# Altium PCB EDA-04211-V4_0_pcb.pcbdoc (part 2 of 12) (continued)
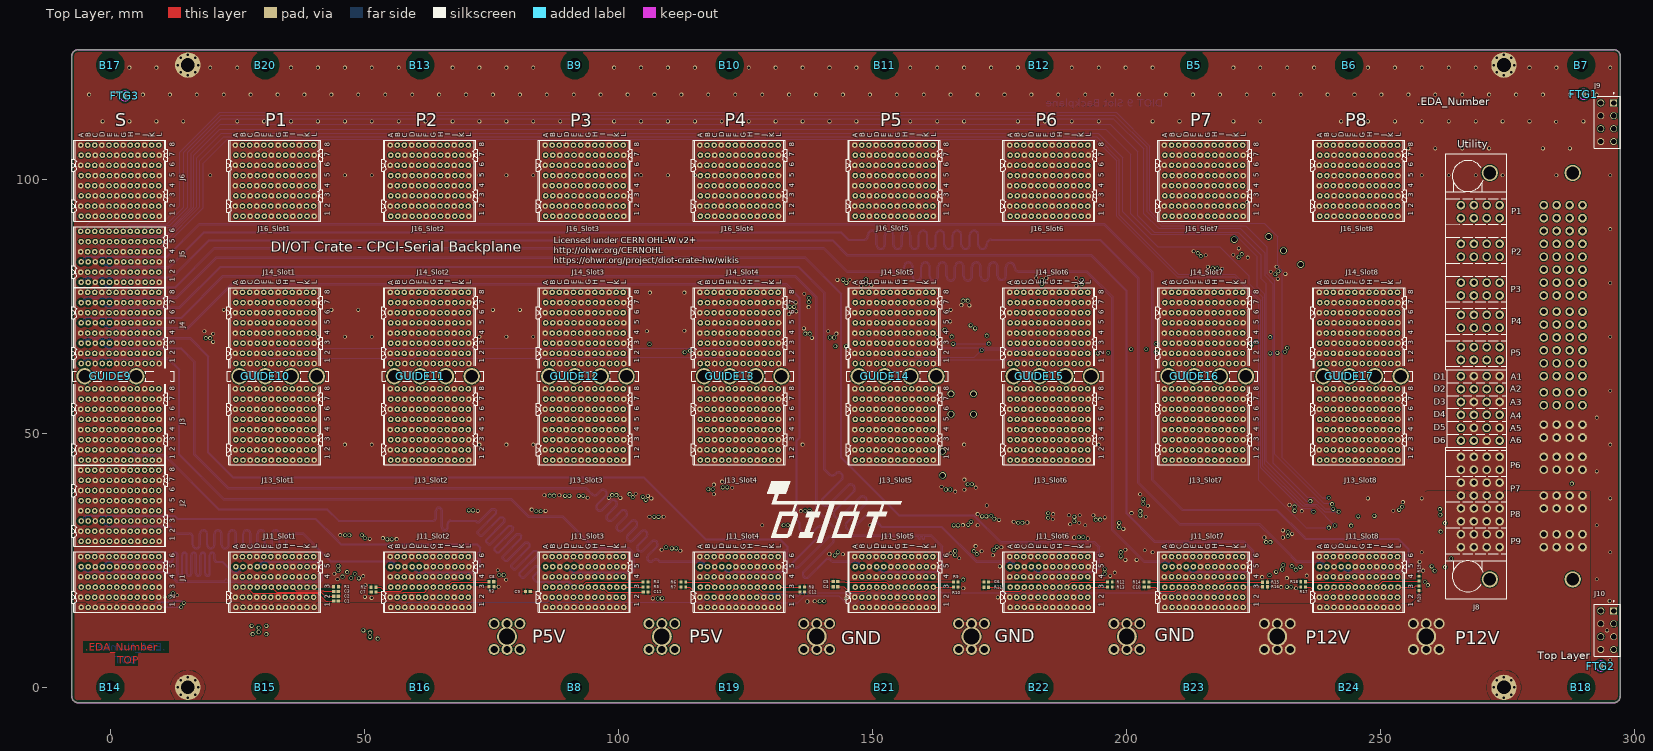
[diagram p0: Top Layer view]
## Footprints (in the part's own frame and the unit in brackets; to place one, negate y for a bottom-side part, rotate by r counter-clockwise, add the part's x,y. Pads: shape width x height; smd on the part's side, far side on the other; paste and mask are expansions set on the pad) (continued)
  silkscreen extent -3.5,-3.5 3.5,3.5, body extent -3.5,-3.5 3.5,3.5, height 6.1

## Part data
B1 B2 B3 B4: library part NON-PLATED_HOLE2.7_PAD5.0_8FCVIAS_BOTSM, "Single Terminal Socket", Author="CERN DEM WB", Component Type="Standard (No BOM)", ComponentHeight=0mm, CreateDate=18/04/2024, Family="Non Plated Hole", HelpURL=Undefined, LatestRevisionDate=18/04/2024, Mounted=No, PackageDescription="Unplated Through Hole: Hole Dia.=2.7mm Pad Dia.=5.0mm with 8 vias filled and capped and soldermask on Bottom.", Part Description="Plated Through Hole: Hole Dia.=2.7mm Pad Dia.=5.0mmUnplated Through Hole: Hole Dia.=2.7mm Pad Dia.=5.0mm with 8 vias filled and capped and soldermask on Bottom.", Part Number=NON-PLATED_HOLE2.7_PAD5.0_8FCVIAS_BOTSM, Pin Count=1, Sense=No, SMD=No, Socket=No, Status=None
B5 B6 B7 B8 B9 B10 B11 B12 B13 B14 B15 B16 B17 B18 B19 B20 B21 B22 B23 B24: library part NON-PLATED_HOLE2.7, "Single Terminal Socket", Author="CERN DEM BC", Component Type="Standard (No BOM)", ComponentHeight=0mm, CreateDate=11.11.2015, Family="Non Plated Hole", HelpURL=Undefined, LatestRevisionDate=11.11.2015, Mounted=No, PackageDescription="Non Plated Through Hole: Hole Dia.=2.7mm", Part Description="Non Plated Through Hole: Hole Dia.=2.7mm", Part Number=NON-PLATED_HOLE2.7, Pin Count=1, Sense=No, SMD=No, Socket=No, Status=None
BUSH1 BUSH2 BUSH3 BUSH4 BUSH5 BUSH6 BUSH7: library part WURTH_7461057, "Bush", Manufacturer=WURTH, Manufacturer Part Number=7461057, Author="CERN DEM JLC", Component Type=Standard, ComponentHeight=6mm, CreateDate=13.08.2018, HelpURL=\\cern.ch\dfs\Applications\Altium\Datasheets\WURTH_7461057.pdf, LatestRevisionDate=13.08.2018, Mounted=Yes, PackageDescription="7x7x6mm REDCUBE Press-Fit with Internsl Threaded Hole M3,Two Rows Pin-Plate WP-BUTR", Part Description="REDCUBE Bush with Threaded Hole M3 and Two Rows Press-Fit Pin-Plate, WP-BUTR Series", Part Number=WURTH_7461057, Pin Count=6, PressFit=Yes, Sense=No, SMD=No, Socket=No, Status=None
C1 C2 C3 C4 C5 C6 C7 C8 C9 C10 C11 C12: library part CC0402_10NF_16V_10%_X7R, "Non-polarised capacitor", Case=0402, Manufacturer=GENERIC, Manufacturer1 ComponentHeight=0.55mm, Manufacturer1 Example=PHYCOMP, Manufacturer1 Part Number=223878715636, Tolerance=±10%, Voltage=16V, Author="CERN DEM JLC", Component Type=Standard, CreateDate=03/12/2007, HelpURL=\\cern.ch\dfs\Applications\Altium\Datasheets\CC0402_X7R_PHYCOMP.pdf, LatestRevisionDate=03/12/2007, Manufacturer Part Number=CC0402_10NF_16V_10%_X7R, Mounted=Yes, Part Description="SMD Multilayer Chip Ceramic Capacitor", Part Number=CC0402_10NF_16V_10%_X7R, Pin Count=2, Sense=No, SMD=Yes, Socket=No, Status="Not Recommended", TC=X7R
FTG1 FTG2 FTG3: library part FIDUCIAL_TARGET_c100-200, "Fiducial Target", Part Number=FIDUCIAL_TARGET_C100-200, Author="CERN DEM JLC", Component Type="Standard (No BOM)", ComponentHeight=0mm, CreateDate=09/02/2010, Family=Fiducial, HelpURL=Undefined, LatestRevisionDate=04/04/2012, Mounted=No, PackageDescription="Round Fiducial Target, Top Layer, 1.0mm, Top Solder 2.0mm, Keepout =2.0mm", Part Description="Round Fiducial Target, Top Layer, 1.0mm, Top Solder 2.0mm, Keepout =2.0mm", Pin Count=1, Sense=No, SMD=Yes, Socket=No, Status=None
GUIDE1 GUIDE2 GUIDE3 GUIDE4 GUIDE5 GUIDE6 GUIDE7 GUIDE8 GUIDE9 GUIDE10 GUIDE11 GUIDE12 GUIDE13 GUIDE14 GUIDE15 GUIDE16 GUIDE17: library part EDA-04126-V1-0, "PICMG CompactPCI Serial Backplane Guide Element", Manufacturer=CERN, Author="CERN DEM BC", Component Type=Standard, ComponentHeight=32mm, ComponentLink1Description="EDMS Link", ComponentLink1URL=https://edms.cern.ch/nav/EDA-04126-V1-0, CreateDate=24.09.2019, HelpURL=\\cern.ch\dfs\Applications\Altium\Datasheets\EDA-04126-V1-0.pdf, LatestRevisionDate=24.09.2019, Manufacturer Part Number=EDA-04126-V1-0, Mounted=Yes, PackageDescription="PICMG CompactPCI Serial Backplane Guide Element", Part Description="PICMG CompactPCI Serial Backplane Guide Element", Part Number=EDA-04126-V1-0, Pin Count=2, PressFit=No, Sense=No, SMD=No, Socket=No, Status=None
J1 J5 J11_Slot1 J11_Slot2 J11_Slot3 J11_Slot4 J11_Slot5 J11_Slot6 J11_Slot7 J11_Slot8: library part AMPHENOL_10052829-101LF, "72 Contacts Receptacle, 6 Columns, 4 Pairs per Column", Manufacturer=AMPHENOL, Manufacturer Part Number=10052829-101LF, Author="CERN DEM MR", Component Type=Standard, ComponentHeight=10.85mm, ComponentLink1Description=Application, ComponentLink1URL=\\cern.ch\dfs\Applications\Altium\Datasheets\AMPHENOL_10052829-101LF_Application.pdf, CreateDate=30.04.2019, Family="AirMax VS", HelpURL=\\cern.ch\dfs\Applications\Altium\Datasheets\AMPHENOL_10052829-101LF.pdf, LatestRevisionDate=30.04.2019, Mounted=Yes, Part Description="72 Contacts, 2mm Pitch, 6 Columns, 4 Pairs per Column, Vertical Receptacle", Part Number=AMPHENOL_10052829-101LF, Pin Count=72, PressFit=Yes, Sense=No, SMD=No, Socket=No, Status=None
J2 J3 J4 J6 J13_Slot1 J13_Slot2 J13_Slot3 J13_Slot4 J13_Slot5 J13_Slot6 J13_Slot7 J13_Slot8 J14_Slot1 J14_Slot2 J14_Slot3 J14_Slot4 J14_Slot5 J14_Slot6 J14_Slot7 J14_Slot8 J16_Slot1 J16_Slot2 J16_Slot3 J16_Slot4 J16_Slot5 J16_Slot6 J16_Slot7 J16_Slot8: library part AMPHENOL_10052842-101LF, "96 Contacts Receptacle, 8 Columns, 4 Pairs per Column", Manufacturer=AMPHENOL, Manufacturer Part Number=10052842-101LF, Author="CERN DEM MR", Component Type=Standard, ComponentHeight=10.85mm, ComponentLink1Description=Application, ComponentLink1URL=\\cern.ch\dfs\Applications\Altium\Datasheets\AMPHENOL_10052842-101LF_Application.pdf, CreateDate=30.04.2019, Family="AirMax VS", HelpURL=\\cern.ch\dfs\Applications\Altium\Datasheets\AMPHENOL_10052842-101LF.pdf, LatestRevisionDate=30.04.2019, Mounted=Yes, Part Description="96 Contacts, 2mm Pitch, 8 Columns, 4 Pairs per Column, Vertical Receptacle", Part Number=AMPHENOL_10052842-101LF, Pin Count=96, PressFit=Yes, Sense=No, SMD=No, Socket=No, Status=None
J7 J8: library part AMPHENOL_51940-650, "Thru-Hole, Lead 3.43mm, PowerBlade Vertical Power Connector 3ACP 2P 24S 4DCP Contacts", Manufacturer=AMPHENOL, Manufacturer Part Number=51940-650, Author="CERN DEM HF", Component Type=Standard, ComponentHeight=12.7mm, Family=PwrBlade, HelpURL=\\cern.ch\dfs\Applications\Altium\Datasheets\AMPHENOL_51940-650.pdf, Mounted=Yes, Part Description="Vertical PowerBlade Power Connector 3ACP + 2P + 24S + 4DCP PressFit Contacts", Part Number=AMPHENOL_51940-650, Pin Count=28, PressFit=Yes, Sense=No, SMD=No, Socket=No, Status=None
  J7: CreateDate=13.12.2022, LatestRevisionDate=13.12.2022
  J8: CreateDate=13/12/2022, LatestRevisionDate=13/12/2022
J9 J10: library part CMP-002-04655-3, "Board Connector, 8 Contact(s), 2 Row(s), Female, Straight, 0.1 inch Pitch, Solder Terminal, Black Insulator, Plug", Max Operating Temperature=125°C, Min Operating Temperature=-65°C, Connector Type="BOARD CONNECTOR", Mounting Technology=Board, RoHS Compliant=Yes
J23_Slot1 J23_Slot2 J23_Slot3 J23_Slot4 J23_Slot5 J23_Slot6 J23_Slot7 J23_Slot8 J24_Slot1 J24_Slot2 J24_Slot3 J24_Slot4 J24_Slot5 J24_Slot6 J24_Slot7 J24_Slot8: library part AMPHENOL_10114760-101LF, "96 Contacts Header, 8 Columns, 4 Pairs per Column", Manufacturer=AMPHENOL, Manufacturer Part Number=10114760-101LF, Author="CERN DEM MR", Component Type=Standard, ComponentHeight=12.45mm, ComponentLink1Description=Application, ComponentLink1URL=\\cern.ch\dfs\Applications\Altium\Datasheets\AMPHENOL_10114760-101LF_Application.pdf, CreateDate=30.04.2019, Family="AirMax VS", HelpURL=\\cern.ch\dfs\Applications\Altium\Datasheets\AMPHENOL_10114760-101LF.pdf, LatestRevisionDate=30.04.2019, Mounted=Yes, Part Description="96 Contacts, 2mm Pitch, 8 Columns, 4 Pairs per Column, 2 Walls Vertical Header", Part Number=AMPHENOL_10114760-101LF, Pin Count=96, PressFit=Yes, Sense=No, SMD=No, Socket=No, Status=None
R1 R2 R3 R4 R5 R6 R7 R8 R9 R10 R11 R12 R13 R14 R15 R16 R17 R18 R19 R20: library part R0402_1K_1%_0.0625W_100PPM, "Resistor - 1%", Case=0402, Manufacturer=GENERIC, Manufacturer1 ComponentHeight=0.4mm, Manufacturer1 Example="YAGEO PHYCOMP", Manufacturer1 Part Number=232270671002L, Power=0.0625W, Tolerance=±1%, Author="CERN DEM JLC", Component Type=Standard, CreateDate=03/12/2007, HelpURL=\\cern.ch\dfs\Applications\Altium\Datasheets\R0402_Phycomp_RC0402.pdf, LatestRevisionDate=17/10/2012, Manufacturer Part Number=R0402_1K_1%_0.0625W_100PPM, Mounted=Yes, Part Description="General Purpose Thick Film Chip Resistor", Part Number=R0402_1K_1%_0.0625W_100PPM, Pin Count=2, PressFit=No, Sense=No, SMD=Yes, Socket=No, Status="Not Recommended", TC=±100ppm/°C
NT1 NT2: Author="CERN DEM JLC", Component Type="Net Tie", ComponentHeight=0mm, CreateDate=22.03.2011, Family="Net Tie", HelpURL=Undefined, LatestRevisionDate=22.03.2011, Mounted=No, PackageDescription="2 Plated Through Hole For Coaxial Cable Link: Hole Dia.=1.4mm Pad Dia.=2.5mm", Part Description="Net Tie (2 Nets)", Part Number="Net Tie", Pin Count=2, Sense=No, SMD=No, Socket=No, Status=None

## Via types
v1: diameter 0.75, hole 0.5, Top Layer to Bottom Layer, tented both sides, 549 vias
v2: diameter 0.85, hole 0.5, Top Layer to Bottom Layer, tented both sides, 32 vias
v3: diameter 1.3, hole 1, Top Layer to Bottom Layer, tented both sides, 10 vias

## Nets (pads, with @x,y where several pads share a name; then routed paths per layer and width w, separated by ;. In a path a pad name is that pad's centre, name@x,y a point inside that pad or via, vN(x,y) a via of type N, cw(c..) or ccw(c..) an arc to the next point about the centre after c; other vN are vias at no path point)
1_CLK_N: J5.B5 J11_Slot1.F4 | length 318
  L8 w0.12: J5.B5@-4.38,87.75 -4.945,87.185 -4.945,87.053 -4.75,86.858 11.292,86.858 11.547,86.858 12.406,86 12.406,47.061 20.076,39.39 20.076,37.145 20.076,35.939 ccw(c20.517,35.939) 20.517,35.498 41.969,35.498 cw(c41.969,34.787) 41.969,34.076 17.623,34.076 ccw(c17.623,33.635) 17.623,33.194 42.218,33.194 cw(c42.218,32.483) 42.218,31.773 17.623,31.773 ccw(c17.623,31.332) 17.623,30.891 42.218,30.891 cw(c42.218,30.18) 42.218,29.469 17.623,29.469 ccw(c17.623,29.028) 17.623,28.587 42.218,28.587 cw(c42.218,27.876) 42.218,27.165 17.623,27.165 ccw(c17.623,26.724) 17.623,26.283 23.177,26.283 cw(c23.177,25.572) 23.177,24.862 17.623,24.862 ccw(c17.623,24.421) 17.623,23.98 19.366,23.98 cw(c19.366,23.269) 20.076,23.269 20.076,23.074 20.076,19.194 20.783,18.487 21.857,18.487 22.677,19.307 22.677,21.969 23.609,22.901 23.708,22.901 30.708,22.901 31.035,22.575 31.035,22.315 J11_Slot1.F4@31.6,21.75
1_CLK_P: J5.A5 J11_Slot1.E4 | length 318
  L8 w0.12: J5.A5@-5.78,87.75 -5.215,87.185 -5.215,86.941 -4.862,86.588 11.292,86.588 11.435,86.588 12.136,85.888 12.136,46.949 19.807,39.278 19.807,37.145 19.807,35.939 ccw(c20.517,35.939) 20.517,35.228 41.969,35.228 cw(c41.969,34.787) 41.969,34.346 17.623,34.346 ccw(c17.623,33.635) 17.623,32.924 42.218,32.924 cw(c42.218,32.483) 42.218,32.042 17.623,32.042 ccw(c17.623,31.332) 17.623,30.621 42.218,30.621 cw(c42.218,30.18) 42.218,29.739 17.623,29.739 ccw(c17.623,29.028) 17.623,28.317 42.218,28.317 cw(c42.218,27.876) 42.218,27.435 17.623,27.435 ccw(c17.623,26.724) 17.623,26.013 23.177,26.013 cw(c23.177,25.572) 23.177,25.131 17.623,25.131 ccw(c17.623,24.421) 17.623,23.71 19.366,23.71 cw(c19.366,23.269) 19.807,23.269 19.807,23.074 19.807,19.082 20.671,18.217 21.969,18.217 22.947,19.195 22.947,21.858 23.72,22.631 23.82,22.631 30.596,22.631 30.765,22.463 30.765,22.315 J11_Slot1.E4@30.2,21.75
1_DIFF_0_N: J1.B3 J11_Slot1.E3 | length 57.4
  L10 w0.102: J1.B3@-4.38,19.75 -4.965,20.335 -4.965,20.435 -4.742,20.659 11.464,20.659 14.622,17.5 15.341,17.5 15.507,17.5 ccw(c15.507,18.107) 16.114,18.107 16.114,18.476 cw(c16.492,18.476) 16.492,18.854 cw(c16.492,18.476) 16.87,18.476 16.87,15.442 ccw(c17.477,15.442) 17.477,14.835 ; 17.477,14.835 ccw(c17.477,15.442) 18.084,15.442 18.084,18.476 cw(c18.462,18.476) 18.462,18.854 cw(c18.462,18.476) 18.84,18.476 18.84,15.442 ccw(c19.447,15.442) 19.447,14.835 ccw(c19.447,15.442) 20.054,15.442 20.054,18.476 cw(c20.432,18.476) 20.432,18.854 cw(c20.432,18.476) 20.81,18.476 20.81,16.644 ccw(c21.417,16.644) 21.417,16.037 ccw(c21.417,16.644) 22.024,16.644 22.024,17.032 cw(c22.402,17.032) 22.134,17.299 23.564,18.728 23.833,18.728 29.497,18.728 29.714,18.945 29.714,19.165 J11_Slot1.E3@30.3,19.75
1_DIFF_0_P: J1.A3 J11_Slot1.D3 | length 57.4
  L10 w0.102: J1.A3@-5.78,19.75 -5.195,20.335 -5.195,20.53 -4.837,20.887 11.559,20.887 14.717,17.729 15.341,17.729 15.507,17.729 ccw(c15.507,18.107) 15.885,18.107 15.885,18.476 cw(c16.492,18.476) 16.492,19.083 cw(c16.492,18.476) 17.099,18.476 17.099,15.442 ccw(c17.477,15.442) 17.477,15.064 ; 17.477,15.064 ccw(c17.477,15.442) 17.855,15.442 17.855,18.476 cw(c18.462,18.476) 18.462,19.083 cw(c18.462,18.476) 19.069,18.476 19.069,15.442 ccw(c19.447,15.442) 19.447,15.064 ccw(c19.447,15.442) 19.825,15.442 19.825,18.476 cw(c20.432,18.476) 20.432,19.083 cw(c20.432,18.476) 21.039,18.476 21.039,16.644 ccw(c21.417,16.644) 21.417,16.266 ccw(c21.417,16.644) 21.795,16.644 21.795,17.032 cw(c22.402,17.032) 21.973,17.461 23.469,18.957 23.833,18.957 29.402,18.957 29.486,19.04 29.486,19.165 J11_Slot1.D3@28.9,19.75
1_DIFF_1_N: J1.E3 J11_Slot1.B3 | length 57.5
  L6 w0.102: J1.E3@-0.18,19.75 -0.255,19.75 -0.766,19.239 -0.766,19.155 -0.461,18.85 10.34,18.85 12.407,20.917 13.2,20.917 13.414,20.917 13.417,20.914 13.505,20.914 13.856,20.564 13.856,18.915 14.072,18.699 14.504,18.699 14.72,18.915 14.72,21.821 15.07,22.171 15.691,22.171 16.042,21.821 16.042,18.915 16.258,18.699 16.69,18.699 16.906,18.915 16.906,21.821 17.256,22.171 17.877,22.171 18.228,21.821 18.228,18.915 18.444,18.699 18.876,18.699 19.092,18.915 19.092,21.821 19.442,22.171 20.063,22.171 20.414,21.821 20.414,18.915 20.63,18.699 21.062,18.699 21.278,18.915 21.278,21.821 21.628,22.171 22.249,22.171 22.6,21.821 22.6,19.269 22.816,19.053 23.248,19.053 23.464,19.269 23.464,20.564 23.814,20.914 23.925,20.914 23.928,20.917 24.027,20.917 25.038,20.917 25.514,20.44 25.514,20.261 26.025,19.75 J11_Slot1.B3@26.1,19.75
1_DIFF_1_P: J1.D3 J11_Slot1.A3 | length 57.5
  L6 w0.102: J1.D3@-1.58,19.75 -1.505,19.75 -0.995,19.239 -0.995,19.06 -0.556,18.621 10.435,18.621 12.496,20.682 13.2,20.682 13.414,20.682 13.627,20.469 13.627,18.82 13.977,18.47 14.598,18.47 14.949,18.82 14.949,21.726 15.165,21.942 15.597,21.942 15.813,21.726 15.813,18.82 16.163,18.47 16.784,18.47 17.135,18.82 17.135,21.726 17.351,21.942 17.783,21.942 17.999,21.726 17.999,18.82 18.349,18.47 18.97,18.47 19.321,18.82 19.321,21.726 19.537,21.942 19.969,21.942 20.185,21.726 20.185,18.82 20.535,18.47 21.156,18.47 21.507,18.82 21.507,21.726 21.723,21.942 22.155,21.942 22.371,21.726 22.371,19.174 22.721,18.824 23.342,18.824 23.693,19.174 23.693,20.469 23.909,20.685 24.02,20.685 24.023,20.688 24.027,20.688 24.943,20.688 25.285,20.345 25.285,20.261 24.775,19.75 J11_Slot1.A3@24.7,19.75
1_DIFF_2_N: J1.C4 J11_Slot1.C4 | length 57.4
  L12 w0.102: J1.C4@-3.08,21.75 -3.665,22.336 -3.665,22.5 -3.463,22.702 10.647,22.702 10.659,22.69 10.671,22.703 11.728,22.703 11.893,22.703 ccw(c11.893,23.236) 12.427,23.236 12.427,24.212 cw(c12.732,24.212) 12.732,24.517 cw(c12.732,24.212) 13.037,24.212 13.037,22 ccw(c13.571,22) 13.571,21.466 ccw(c13.571,22) 14.105,22 14.105,24.212 cw(c14.41,24.212) 14.41,24.517 cw(c14.41,24.212) 14.715,24.212 14.715,22 ccw(c15.249,22) 15.249,21.466 ccw(c15.249,22) 15.783,22 15.783,24.212 cw(c16.088,24.212) 16.088,24.517 cw(c16.088,24.212) 16.393,24.212 16.393,22 ccw(c16.927,22) 16.927,21.466 ccw(c16.927,22) 17.461,22 17.461,24.212 cw(c17.766,24.212) 17.766,24.517 cw(c17.766,24.212) 18.071,24.212 18.071,22 ccw(c18.605,22) 18.605,21.466 ccw(c18.605,22) 19.139,22 19.139,23.916 cw(c19.444,23.916) 19.444,24.221 cw(c19.444,23.916) 19.749,23.916 19.749,23.236 ccw(c20.283,23.236) 20.283,22.703 21.03,22.703 21.491,22.703 23.548,20.645 26.509,20.645 26.815,20.951 26.815,21.164 J11_Slot1.C4@27.4,21.75
1_DIFF_2_P: J1.B4 J11_Slot1.B4 | length 57.4
  L12 w0.102: J1.B4@-4.48,21.75 -3.895,22.336 -3.895,22.595 -3.558,22.932 11.728,22.932 11.893,22.931 ccw(c11.893,23.236) 12.198,23.236 12.198,24.212 cw(c12.732,24.212) 12.732,24.746 cw(c12.732,24.212) 13.266,24.212 13.266,22 ccw(c13.571,22) 13.571,21.695 ccw(c13.571,22) 13.876,22 13.876,24.212 cw(c14.41,24.212) 14.41,24.746 cw(c14.41,24.212) 14.944,24.212 14.944,22 ccw(c15.249,22) 15.249,21.695 ccw(c15.249,22) 15.554,22 15.554,24.212 cw(c16.088,24.212) 16.088,24.746 cw(c16.088,24.212) 16.622,24.212 16.622,22 ccw(c16.927,22) 16.927,21.695 ccw(c16.927,22) 17.232,22 17.232,24.212 cw(c17.766,24.212) 17.766,24.746 cw(c17.766,24.212) 18.3,24.212 18.3,22 ccw(c18.605,22) 18.605,21.695 ccw(c18.605,22) 18.91,22 18.91,23.916 cw(c19.444,23.916) 19.444,24.45 cw(c19.444,23.916) 19.978,23.916 19.978,23.236 ccw(c20.283,23.236) 20.283,22.931 21.03,22.931 21.586,22.932 23.643,20.874 26.414,20.874 26.585,21.046 26.585,21.164 J11_Slot1.B4@26,21.75
1_DIFF_3_N: J1.I4 J11_Slot1.L4 | length 57.4
  L4 w0.102: J1.I4@5.32,21.75 4.734,21.164 4.734,21.063 4.949,20.849 11.465,20.849 13.424,18.89 13.655,18.89 13.703,18.896 13.749,18.912 13.79,18.937 13.824,18.972 13.85,19.012 13.866,19.058 13.877,19.154 13.893,19.2 13.919,19.241 13.953,19.275 13.994,19.301 14.039,19.317 14.087,19.322 14.205,19.322 14.253,19.317 14.299,19.301 14.34,19.275 14.374,19.241 14.4,19.2 14.416,19.154 14.427,19.058 14.443,19.012 14.469,18.972 14.503,18.937 14.544,18.912 14.589,18.896 14.637,18.89 14.755,18.89 14.803,18.896 14.849,18.912 14.89,18.937 14.924,18.972 14.95,19.012 14.966,19.058 14.977,19.154 14.993,19.2 15.019,19.241 15.053,19.275 15.094,19.301 15.139,19.317 15.187,19.322 15.305,19.322 15.353,19.317 15.399,19.301 15.44,19.275 15.474,19.241 15.5,19.2 15.516,19.154 15.527,19.058 15.543,19.012 15.569,18.972 15.603,18.937 15.644,18.912 15.689,18.896 15.737,18.89 ; 15.689,18.881 41.909,18.881 42.9,17.89 43.14,17.65 43.358,17.65 ccw(c43.358,17.828) 43.536,17.828 43.536,18.487 cw(c43.943,18.487) 43.943,18.894 cw(c43.943,18.487) 44.35,18.487 44.35,17.828 ccw(c44.528,17.828) 44.528,17.65 44.942,17.65 45.449,18.156 45.449,19.141 45.391,19.199 44.802,19.788 42.378,19.788 41.959,20.207 41.959,20.715 41.948,20.812 41.93,20.864 41.903,20.907 41.865,20.945 41.544,21.066 41.506,21.104 41.479,21.147 41.461,21.2 41.455,21.25 41.455,21.262 41.461,21.312 41.479,21.364 41.506,21.407 41.544,21.445 41.865,21.566 41.903,21.604 41.93,21.647 41.948,21.7 41.959,21.796 41.959,22.097 41.442,22.614 39.606,22.614 39.415,22.422 39.415,22.336 J11_Slot1.L4@40,21.75
1_DIFF_3_P: J1.H4 J11_Slot1.K4 | length 57.3
  L4 w0.102: J1.H4@3.92,21.75 4.506,21.164 4.506,20.968 4.854,20.62 11.37,20.62 13.338,18.652 41.814,18.652 42.9,17.566 43.045,17.421 43.358,17.421 ccw(c43.358,17.828) 43.765,17.828 43.765,18.487 cw(c43.943,18.487) 43.943,18.665 cw(c43.943,18.487) 44.121,18.487 44.121,17.828 ccw(c44.528,17.828) 44.528,17.421 45.037,17.421 45.549,17.933 45.678,18.061 45.678,19.236 44.897,20.017 42.473,20.017 42.188,20.302 42.188,20.715 42.188,22.192 41.537,22.843 39.512,22.843 39.185,22.517 39.185,22.336 J11_Slot1.K4@38.6,21.75
1_DIFF_4_N: J1.L4 J11_Slot1.I4 | length 57.4
  L4 w0.102: J1.L4@9.52,21.75 8.935,22.335 8.935,22.448 9.126,22.64 11.905,22.64 11.947,22.598 11.998,22.547 12.223,22.322 12.718,22.322 13.127,22.73 13.559,22.73 13.775,22.514 13.775,19.901 14.125,19.551 14.746,19.551 15.097,19.901 15.097,22.424 15.313,22.64 15.745,22.64 15.961,22.424 15.961,19.55 16.311,19.2 16.932,19.2 17.283,19.55 17.283,22.424 17.499,22.64 17.931,22.64 18.147,22.424 18.147,19.549 18.497,19.199 19.118,19.199 19.469,19.549 19.469,22.424 19.685,22.64 20.117,22.64 20.333,22.424 20.333,19.549 20.683,19.198 21.304,19.198 21.655,19.549 21.655,22.51 21.871,22.726 22.303,22.726 22.519,22.51 22.519,19.548 22.869,19.197 23.49,19.197 23.841,19.548 23.841,20.366 24.057,20.582 24.585,20.582 34.907,20.582 35.214,20.889 35.214,21.164 J11_Slot1.I4@35.8,21.75
1_DIFF_4_P: J1.K4 J11_Slot1.H4 | length 57.4
  L4 w0.102: J1.K4@8.12,21.75 8.705,22.336 8.705,22.543 9.032,22.869 11.947,22.869 12,22.869 12.16,22.709 12.318,22.551 12.624,22.551 13.032,22.959 13.653,22.959 14.004,22.609 14.004,19.996 14.22,19.78 14.652,19.78 14.868,19.996 14.868,22.519 15.218,22.869 15.839,22.869 16.19,22.519 16.19,19.645 16.406,19.429 16.838,19.429 17.054,19.645 17.054,22.519 17.404,22.869 18.025,22.869 18.376,22.519 18.376,19.644 18.592,19.428 19.024,19.428 19.24,19.644 19.24,22.519 19.59,22.869 20.211,22.869 20.562,22.519 20.562,19.643 20.778,19.427 21.21,19.427 21.426,19.643 21.426,22.605 21.776,22.955 22.397,22.955 22.748,22.605 22.748,19.642 22.964,19.426 23.396,19.426 23.612,19.642 23.612,20.461 23.962,20.811 24.585,20.811 34.813,20.811 34.986,20.984 34.986,21.164 J11_Slot1.H4@34.4,21.75
1_DIFF_5_N: J1.H5 J11_Slot1.K5 | length 57.3
  L10 w0.102: J1.H5@4.02,23.75 3.434,24.336 3.434,24.466 3.589,24.621 10.204,24.621 13.77,21.055 13.811,21.014 13.904,20.921 13.976,20.921 ccw(c13.976,21.455) 14.51,21.455 14.51,22.125 cw(c14.815,22.125) 14.815,22.43 cw(c14.815,22.125) 15.12,22.125 15.12,20.25 ccw(c15.654,20.25) 15.654,19.716 ccw(c15.654,20.25) 16.188,20.25 16.188,22.125 cw(c16.493,22.125) 16.493,22.43 cw(c16.493,22.125) 16.798,22.125 16.798,20.25 ccw(c17.332,20.25) 17.332,19.716 ccw(c17.332,20.25) 17.866,20.25 17.866,22.125 cw(c18.171,22.125) 18.171,22.43 cw(c18.171,22.125) 18.476,22.125 18.476,20.25 ccw(c19.01,20.25) 19.01,19.716 ccw(c19.01,20.25) 19.544,20.25 19.544,22.125 cw(c19.849,22.125) 19.849,22.43 cw(c19.849,22.125) 20.154,22.125 20.154,20.37 ccw(c20.688,20.37) 20.688,19.836 ccw(c20.688,20.37) 21.222,20.37 21.222,20.616 cw(c21.527,20.616) 21.527,20.921 21.635,20.921 22.493,21.779 23.379,22.665 37.803,22.665 38.115,22.977 38.115,23.165 J11_Slot1.K5@38.7,23.75
1_DIFF_5_P: J1.G5 J11_Slot1.J5 | length 57.3
  L10 w0.102: J1.G5@2.62,23.75 3.206,24.336 3.206,24.561 3.494,24.85 10.299,24.85 13.811,21.338 13.998,21.151 ccw(c13.976,21.455) 14.281,21.455 14.281,22.125 cw(c14.815,22.125) 14.815,22.659 cw(c14.815,22.125) 15.349,22.125 15.349,20.25 ccw(c15.654,20.25) 15.654,19.945 ccw(c15.654,20.25) 15.959,20.25 15.959,22.125 cw(c16.493,22.125) 16.493,22.659 cw(c16.493,22.125) 17.027,22.125 17.027,20.25 ccw(c17.332,20.25) 17.332,19.945 ccw(c17.332,20.25) 17.637,20.25 17.637,22.125 cw(c18.171,22.125) 18.171,22.659 cw(c18.171,22.125) 18.705,22.125 18.705,20.25 ccw(c19.01,20.25) 19.01,19.945 ccw(c19.01,20.25) 19.315,20.25 19.315,22.125 cw(c19.849,22.125) 19.849,22.659 cw(c19.849,22.125) 20.383,22.125 20.383,20.37 ccw(c20.688,20.37) 20.688,20.065 ccw(c20.688,20.37) 20.993,20.37 20.993,20.616 cw(c21.527,20.616) 21.527,21.15 21.54,21.15 22.493,22.103 23.284,22.894 37.708,22.894 37.885,23.071 37.885,23.165 J11_Slot1.J5@37.3,23.75
1_DIFF_6_N: J1.K5 J11_Slot1.H5 | length 57.5
  L4 w0.102: J1.K5@8.22,23.75 7.635,24.335 7.635,24.424 7.823,24.613 10.415,24.613 10.628,24.613 10.978,24.963 10.978,26.832 11.194,27.048 11.626,27.048 11.842,26.832 11.842,23.538 12.193,23.188 12.814,23.188 13.164,23.538 13.164,26.832 13.38,27.048 13.812,27.048 14.028,26.832 14.028,23.448 14.379,23.098 15,23.098 15.35,23.448 15.35,26.231 15.566,26.447 15.998,26.447 16.214,26.231 16.214,23.448 16.565,23.098 17.186,23.098 17.536,23.448 17.536,25.439 17.752,25.655 18.184,25.655 18.4,25.439 18.4,23.448 18.751,23.098 19.372,23.098 19.722,23.448 19.722,25.439 19.938,25.655 20.37,25.655 20.586,25.439 20.586,23.534 20.937,23.184 21.558,23.184 21.908,23.534 21.908,23.962 22.124,24.178 22.43,24.178 22.823,23.785 24.048,22.56 33.557,22.56 33.914,22.917 33.914,23.165 J11_Slot1.H5@34.5,23.75
1_DIFF_6_P: J1.J5 J11_Slot1.G5 | length 57.5
  L4 w0.102: J1.J5@6.82,23.75 7.405,24.336 7.405,24.519 7.661,24.775 7.728,24.842 10.415,24.842 10.533,24.842 10.749,25.058 10.749,26.926 11.1,27.277 11.721,27.277 12.071,26.926 12.071,23.633 12.287,23.417 12.719,23.417 12.935,23.633 12.935,26.926 13.286,27.277 13.907,27.277 14.257,26.926 14.257,23.543 14.473,23.327 14.905,23.327 15.121,23.543 15.121,26.326 15.472,26.676 16.093,26.676 16.443,26.326 16.443,23.543 16.659,23.327 17.091,23.327 17.307,23.543 17.307,25.534 17.658,25.884 18.279,25.884 18.629,25.534 18.629,23.543 18.845,23.327 19.277,23.327 19.493,23.543 19.493,25.534 19.844,25.884 20.465,25.884 20.815,25.534 20.815,23.629 21.031,23.413 21.463,23.413 21.679,23.629 21.679,24.057 22.03,24.407 22.525,24.407 22.823,24.109 24.143,22.789 33.463,22.789 33.686,23.012 33.686,23.165 J11_Slot1.G5@33.1,23.75
1_DIFF_7_N: J1.C6 J11_Slot1.F6 | length 57.5
  L6 w0.102: J1.C6@-3.08,25.75 -3.666,26.335 -3.666,26.754 -2.85,27.57 10.883,27.57 13.972,30.658 17.818,30.658 19.706,30.658 cw(c19.706,30.48) 19.884,30.48 19.884,29.691 ccw(c20.291,29.691) 20.291,29.284 ccw(c20.291,29.691) 20.698,29.691 20.698,30.48 cw(c20.876,30.48) 20.876,30.658 21.042,30.658 27.208,30.658 28.271,29.595 28.271,28.195 27.555,27.479 22.89,27.479 22.031,26.62 22.031,25.642 23.051,24.623 30.711,24.623 31.014,24.927 31.014,25.426 31.339,25.75 J11_Slot1.F6@31.6,25.75
1_DIFF_7_P: J1.B6 J11_Slot1.E6 | length 57.5
  L6 w0.102: J1.B6@-4.48,25.75 -3.895,26.335 -3.895,26.849 -2.945,27.799 10.789,27.799 13.877,30.887 17.818,30.887 19.706,30.887 cw(c19.706,30.48) 20.113,30.48 20.113,29.691 ccw(c20.291,29.691) 20.291,29.513 ccw(c20.291,29.691) 20.469,29.691 20.469,30.48 cw(c20.876,30.48) 20.876,30.887 21.042,30.887 27.303,30.887 28.5,29.69 28.5,28.1 27.65,27.25 22.985,27.25 22.26,26.525 22.26,25.737 23.145,24.852 30.616,24.852 30.786,25.021 30.786,25.426 30.461,25.75 J11_Slot1.E6@30.2,25.75
1_DIFF_8_N: J1.F6 J11_Slot1.C6 | length 57.3
  L4 w0.102: J1.F6@1.12,25.75 0.534,26.335 0.534,26.649 0.303,26.88 -6.11,26.88 -6.26,27.03 -6.26,27.45 -6.06,27.65 3.733,27.65 6.229,27.65 cw(c6.229,27.218) 6.661,27.218 6.661,27.114 ccw(c7.322,27.114) 7.322,26.453 ccw(c7.322,27.114) 7.983,27.114 7.983,27.218 cw(c8.415,27.218) 8.415,27.65 8.581,27.65 10.494,27.65 10.707,27.65 11.057,28 11.057,31.724 11.273,31.94 11.705,31.94 11.921,31.724 11.921,27.818 12.271,27.468 12.893,27.468 13.243,27.818 13.243,29.538 13.459,29.754 13.891,29.754 14.107,29.538 14.107,28 14.457,27.65 16.026,27.65 16.4,27.276 17.563,26.113 22.377,26.113 22.94,25.55 23.76,24.73 26.621,24.73 26.815,24.924 26.815,25.165 J11_Slot1.C6@27.4,25.75
1_DIFF_8_P: J1.E6 J11_Slot1.B6 | length 57.3
  L4 w0.102: J1.E6@-0.28,25.75 0.306,26.335 0.306,26.554 0.208,26.651 -6.205,26.651 -6.489,26.935 -6.489,27.545 -6.155,27.879 3.733,27.879 6.229,27.879 cw(c6.229,27.218) 6.89,27.218 6.89,27.114 ccw(c7.322,27.114) 7.322,26.682 ccw(c7.322,27.114) 7.754,27.114 7.754,27.218 cw(c8.415,27.218) 8.415,27.879 8.581,27.879 10.494,27.879 10.612,27.879 10.828,28.095 10.828,31.819 11.178,32.169 11.8,32.169 12.15,31.819 12.15,27.913 12.366,27.697 12.798,27.697 13.014,27.913 13.014,29.633 13.364,29.983 13.986,29.983 14.336,29.633 14.336,28.095 14.552,27.879 16.121,27.879 16.4,27.6 17.658,26.342 22.472,26.342 23.264,25.55 23.854,24.959 26.526,24.959 26.586,25.019 26.586,25.164 J11_Slot1.B6@26,25.75
1_DIFF_9_N: J1.I6 J11_Slot1.L6 | length 57.4
  L6 w0.102: J1.I6@5.32,25.75 4.734,26.335 4.734,26.586 4.735,26.621 4.794,26.681 12.58,26.681 13.116,26.681 cw(c13.116,26.503) 13.294,26.503 13.294,26.009 ccw(c13.701,26.009) 13.701,25.602 ccw(c13.701,26.009) 14.108,26.009 14.108,27.715 cw(c14.286,27.715) 14.286,27.893 cw(c14.286,27.715) 14.464,27.715 14.464,25.271 ccw(c14.871,25.271) 14.871,24.864 ccw(c14.871,25.271) 15.278,25.271 15.278,27.715 cw(c15.456,27.715) 15.456,27.893 cw(c15.456,27.715) 15.634,27.715 15.634,25.271 ccw(c16.041,25.271) 16.041,24.864 ccw(c16.041,25.271) 16.448,25.271 16.448,26.503 cw(c16.626,26.503) 16.626,26.681 16.792,26.681 19.195,26.681 23.133,22.744 41.263,22.744 41.676,23.157 41.676,24.108 41.33,24.455 40.983,24.801 39.613,24.801 39.414,25 39.414,25.426 39.739,25.75 J11_Slot1.L6@40,25.75
1_DIFF_9_P: J1.H6 J11_Slot1.K6 | length 57.4
  L6 w0.102: J1.H6@3.92,25.75 4.506,26.335 4.506,26.681 4.506,26.716 4.699,26.91 12.58,26.91 13.116,26.91 cw(c13.116,26.503) 13.523,26.503 13.523,26.009 ccw(c13.701,26.009) 13.701,25.831 ccw(c13.701,26.009) 13.879,26.009 13.879,27.715 cw(c14.286,27.715) 14.286,28.122 cw(c14.286,27.715) 14.693,27.715 14.693,25.271 ccw(c14.871,25.271) 14.871,25.093 ccw(c14.871,25.271) 15.049,25.271 15.049,27.715 cw(c15.456,27.715) 15.456,28.122 cw(c15.456,27.715) 15.863,27.715 15.863,25.271 ccw(c16.041,25.271) 16.041,25.093 ccw(c16.041,25.271) 16.219,25.271 16.219,26.503 cw(c16.626,26.503) 16.626,26.91 16.792,26.91 19.29,26.91 23.227,22.973 41.168,22.973 41.447,23.252 41.447,24.014 41.168,24.293 41.006,24.455 40.889,24.572 39.518,24.572 39.185,24.905 39.185,25.426 38.861,25.75 J11_Slot1.K6@38.6,25.75
1_DIFF_10_N: J1.L6 J11_Slot1.I6 | length 57.5
  L10 w0.102: J1.L6@9.52,25.75 8.934,26.335 8.934,27.271 9.114,27.45 9.85,27.45 11.387,25.913 11.688,25.612 11.688,24.068 12.038,23.718 12.66,23.718 13.01,24.068 13.01,25.935 13.226,26.151 13.658,26.151 13.874,25.935 13.874,23.652 14.224,23.302 14.846,23.302 15.196,23.652 15.196,25.935 15.412,26.151 15.844,26.151 16.06,25.935 16.06,23.652 16.41,23.302 17.032,23.302 17.382,23.652 17.382,25.935 17.598,26.151 18.03,26.151 18.246,25.935 18.246,23.652 18.596,23.302 19.218,23.302 19.568,23.652 19.568,25.935 19.784,26.151 20.216,26.151 20.432,25.935 20.432,23.652 20.782,23.302 21.404,23.302 21.754,23.652 21.754,25.935 21.97,26.151 22.402,26.151 22.618,25.935 22.618,23.652 22.968,23.302 23.59,23.302 23.94,23.652 23.94,24.456 24.156,24.672 24.274,24.672 34.907,24.672 35.214,24.979 35.214,25.165 J11_Slot1.I6@35.8,25.75
1_DIFF_10_P: J1.K6 J11_Slot1.H6 | length 57.5
  L10 w0.102: J1.K6@8.12,25.75 8.705,26.335 8.705,27.366 9.019,27.679 9.945,27.679 11.387,26.237 11.917,25.707 11.917,24.163 12.133,23.947 12.565,23.947 12.781,24.163 12.781,26.03 13.131,26.38 13.753,26.38 14.103,26.03 14.103,23.747 14.319,23.531 14.751,23.531 14.967,23.747 14.967,26.03 15.317,26.38 15.939,26.38 16.289,26.03 16.289,23.747 16.505,23.531 16.937,23.531 17.153,23.747 17.153,26.03 17.503,26.38 18.125,26.38 18.475,26.03 18.475,23.747 18.691,23.531 19.123,23.531 19.339,23.747 19.339,26.03 19.689,26.38 20.311,26.38 20.661,26.03 20.661,23.747 20.877,23.531 21.309,23.531 21.525,23.747 21.525,26.03 21.875,26.38 22.497,26.38 22.847,26.03 22.847,23.747 23.063,23.531 23.495,23.531 23.711,23.747 23.711,24.551 24.061,24.901 24.274,24.901 34.813,24.901 34.986,25.074 34.986,25.165 J11_Slot1.H6@34.4,25.75
1_DIFF_11_N: J6.B1 J16_Slot1.E1 | length 57.3
  L10 w0.102: J6.B1@-4.38,92.75 -4.965,92.164 -4.965,92.002 -4.966,91.857 -5.201,91.621 -6.214,91.621 -6.36,91.475 -6.36,91.106 -6.204,90.95 -4.762,90.95 -4.644,90.95 -4.428,91.166 -4.428,91.468 -4.078,91.818 -3.456,91.818 -3.106,91.468 -3.106,91.144 -2.89,90.928 -2.458,90.928 -2.242,91.144 -2.242,91.645 -1.892,91.996 -1.27,91.996 -0.92,91.645 -0.92,91.144 -0.704,90.928 -0.272,90.928 -0.056,91.144 -0.056,91.645 0.294,91.996 0.915,91.996 1.266,91.645 1.266,91.144 1.482,90.928 1.914,90.928 2.13,91.144 2.13,91.645 2.48,91.996 3.101,91.996 3.452,91.645 3.452,91.144 3.668,90.928 4.1,90.928 4.316,91.144 4.316,91.645 4.666,91.996 5.287,91.996 5.638,91.645 5.638,91.144 5.854,90.928 6.286,90.928 6.502,91.144 6.502,91.645 6.852,91.996 7.473,91.996 7.824,91.645 7.824,91.144 8.04,90.928 8.472,90.928 8.688,91.144 8.688,91.645 9.038,91.996 9.659,91.996 10.01,91.645 10.01,91.144 10.226,90.928 10.658,90.928 10.874,91.144 10.874,91.645 11.224,91.996 11.845,91.996 12.196,91.645 12.196,91.166 12.412,90.95 12.84,90.95 13.337,91.447 14.431,92.541 18.261,92.541 20.893,92.541 ccw(c20.893,92.846) 21.198,92.846 21.198,94.547 cw(c21.732,94.547) 21.732,95.081 cw(c21.732,94.547) 22.266,94.547 22.266,92.846 ccw(c22.571,92.846) 22.571,92.541 22.817,92.541 23.365,93.089 24.163,93.887 29.366,93.887 29.714,93.538 29.714,93.336 J16_Slot1.E1@30.3,92.75